# Altium PCB LEDmainb.PcbDoc
Units mil, origin at the board's own origin, x right, y up, seen from the top; angles counter-clockwise.
Board outline 3200 x 3200 mil, 2 copper layers (Top Layer, Bottom Layer); 95 components, 65 nets, 290 pads, 43 vias.
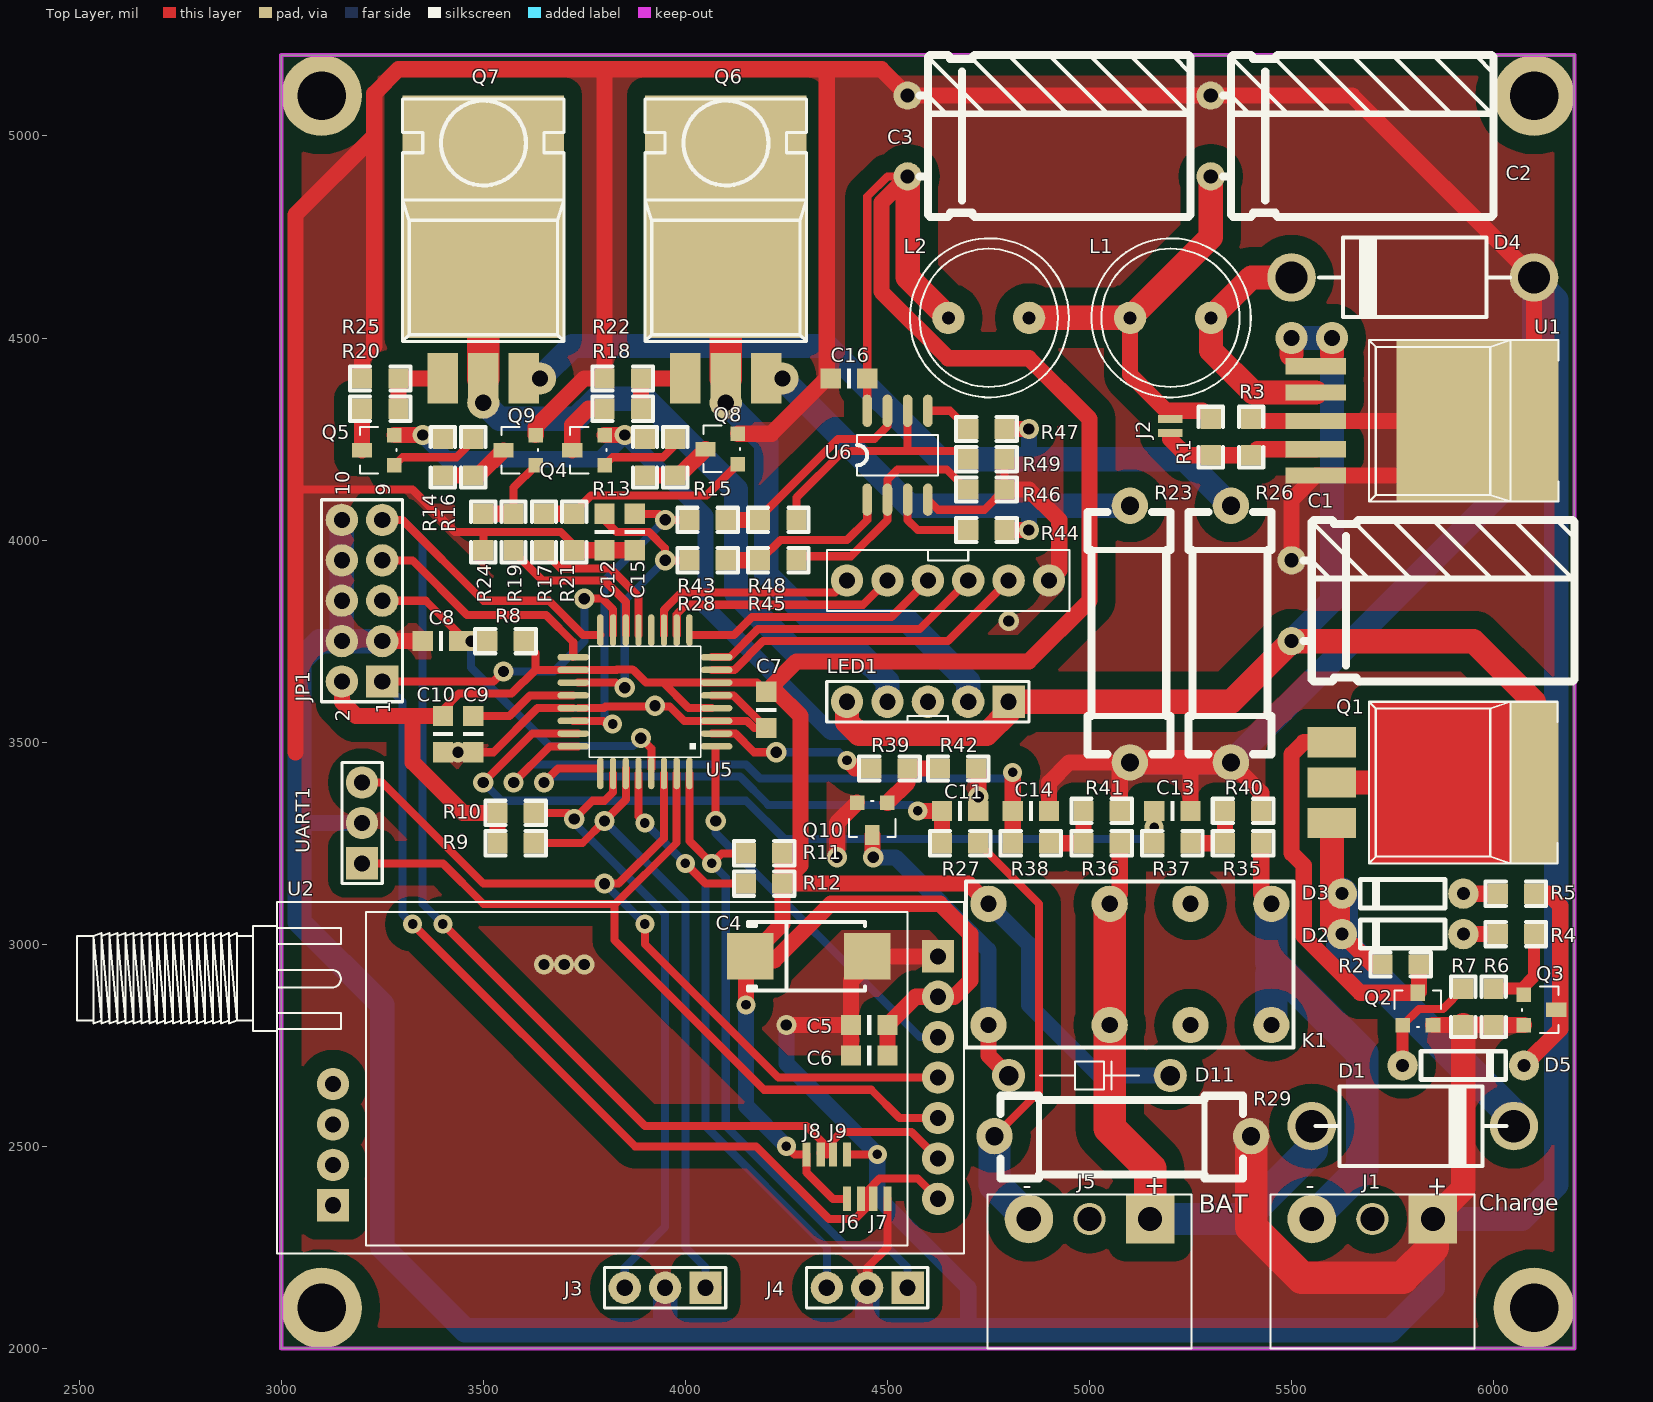
[diagram p0: Top Layer view]
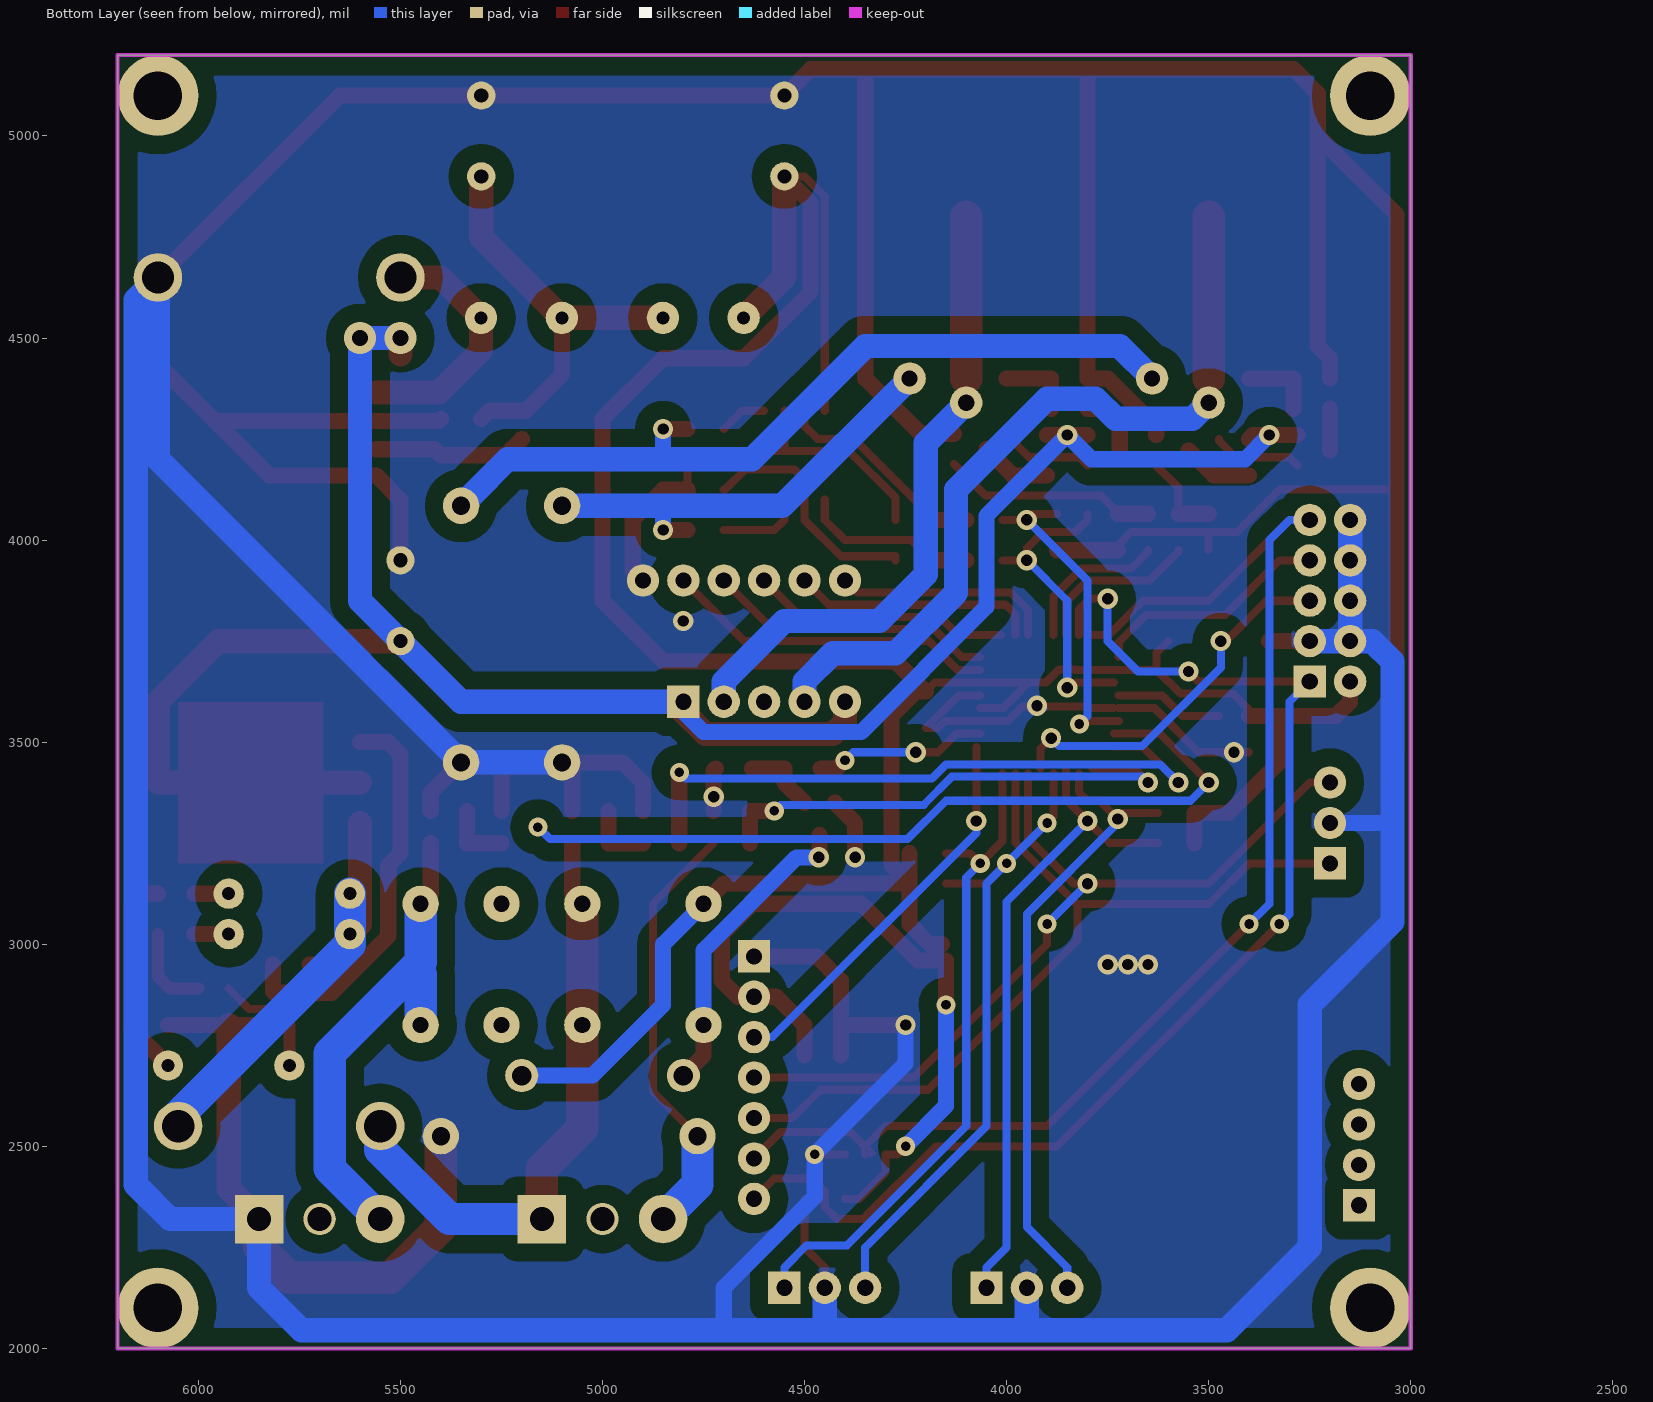
[diagram p1: Bottom Layer view, seen from below]
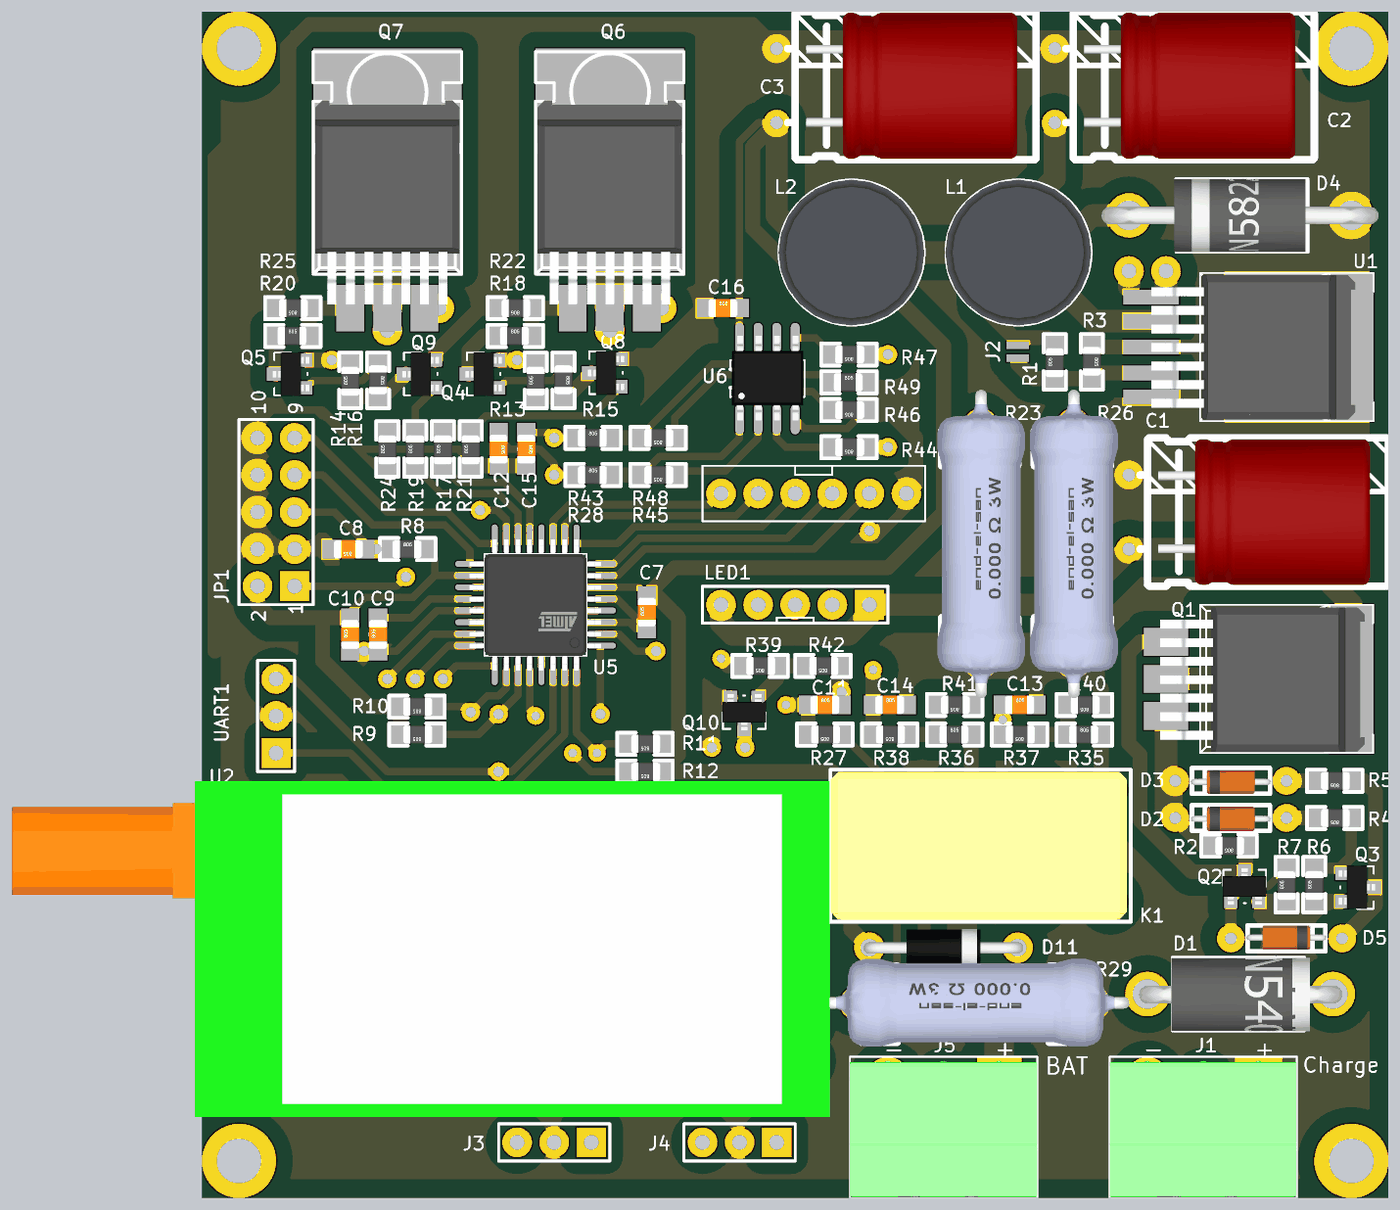
[diagram p2: 3D render of the assembled board from above, using the file's embedded part models]

## Layer stack, top to bottom
Top Solder: solder mask 0.4, Solder Resist, Dk 3.5
Top Layer: signal copper 1.4
Dielectric 1: dielectric 12.6, FR-4, Dk 4.8
Bottom Layer: signal copper 1.4
Bottom Solder: solder mask 0.4, Solder Resist, Dk 3.5

## Board outline
3000,2000 6200,2000 6200,5200 3000,5200

## Design rules (kind name [scope] priority, off if disabled: settings)
Clearance [All] p1: gap=10 ignorepadtopadclearanceinfootprint=FALSE except(0: Arc-Hole Track-Hole SMDPad-Hole THPad-Hole Via-Hole Fill-Hole Poly-Hole Region-Hole Text-Hole; 45: Arc-Poly Arc-Region Track-Poly Track-Region SMDPad-Poly SMDPad-Region THPad-Poly THPad-Region Via-Poly Via-Region Fill-Poly Fill-Region Poly-Poly Poly-Region Region-Region)
ComponentClearance [All] p1 off: gap=10 collisioncheckmode=3 verticalgap=10 showdistances=FALSE
Height [All] p1: minheight=0 maxheight=2000 prefheight=500
HoleSize [All] p1: absolutevalues=TRUE maxlimit=200 minlimit=1 maxpercent=80.000 minpercent=20.000
PolygonConnect [All] p1: connectstyle=Direct reliefconductorwidth=10 reliefentries=4 polygonreliefangle="90 Angle" airgapwidth=10
RoutingVias [All] p1: holewidth=28 width=50 viastyle="Through Hole" minholewidth=23.62 minwidth=47.24 maxholewidth=78.74 maxwidth=78.74
SolderMaskExpansion [All] p1: expansion=4
Width [All] p1: maxlimit=100 minlimit=10 preferedwidth=20
27 further rules are at their usual default settings.

## Components (designator, comment, footprint, x,y, rotation, side; value= is the part's Value field where it differs from the comment)
C1 "Tụ hóa chân cắm 1000uF 25V" CAP40X20L 5500,3750 r90 top value="1000uF 25V"
C2 "Tụ hóa chân cắm 1000uF 25V" CAP40X20L 5300,4900 r90 top value="1000uF 25V"
C3 "Tụ hóa chân cắm 1000uF 25V" CAP40X20L 4550,4900 r90 top value="1000uF 25V"
C4 "Tụ hóa chân dán 107" SMC_E/WA 4160,2970 r0 top value=107
C5 "Tụ điện dán 0805 104" 0805C 4500,2800 r180 top value=104
C6 "Tụ điện dán 0805 104" 0805C 4410,2725 r0 top value=104
C7 "Tụ điện dán 0805 104" 0805C 4200,3535 r90 top value=104
C8 "Tụ điện dán 0805 104" 0805C 3440,3750 r180 top value=104
C9 "Tụ điện dán 0805 104" 0805C 3475,3475 r90 top value=104
C10 "Tụ điện dán 0805 104" 0805C 3400,3475 r90 top value=104
C11 "Tụ điện dán 0805 104" 0805C 4635,3330 r0 top value=104
C12 "Tụ điện dán 0805 105" 0805C 3800,4065 r270 top value=105
C13 "Tụ điện dán 0805 104" 0805C 5160,3330 r0 top value=104
C14 "Tụ điện dán 0805 104" 0805C 4810,3330 r0 top value=104
C15 "Tụ điện dán 0805 105" 0805C 3875,4065 r270 top value=105
C16 "Tụ điện dán 0805 104" 0805C 4360,4400 r0 top value=104
D1 "Diode chỉnh lưu chân cắm 3A 1N5408" 1N5408 5500,2550 r0 top value=1N5408
D2 "Diode ổn áp zener chân cắm 1W 24V" 1N4148_S 5925,3025 r180 top value=24V
D3 "Diode ổn áp zener chân cắm 1W 5V1" 1N4148_S 5925,3125 r180 top value=5V1
D4 "Diode xung chân cắm 3A 1N5822" 1N5822 6100,4650 r180 top value=1N5822
D5 "Diode ổn áp zener chân cắm 1W 5V1" 1N4148_S 5775,2700 r0 top value=5V1
D11 "Diode chỉnh lưu chân cắm 1A 1N4007" DIODE1A 4800,2675 r0 top value=1N4007
J1 "Giắc xanh loại nằm, 300V/16A - 3.81mm 2P" JACK381_2 5850,2320 r180 top value=2P
J2 "Jumper 2P" XPAD 5200,4300 r270 top value=2P
J3 "Jump đực chân thẳng, 2.54mm 3P" HDR1X3 4050,2150 r180 top value=3P
J4 "Jump đực chân thẳng, 2.54mm 3P" HDR1X3 4550,2150 r180 top value=3P
J5 "Giắc xanh loại nằm, 300V/16A - 3.81mm 2P" JACK381_3 5150,2320 r180 top value=2P
J6 "Jumper 2P" XPAD 4435,2370 r180 top value=2P
J7 "Jumper 2P" XPAD 4500,2370 r180 top value=2P
J8 "Jumper 2P" XPAD 4335,2480 r180 top value=2P
J9 "Jumper 2P" XPAD 4400,2480 r180 top value=2P
JP1 "Jump đực chân thẳng, 2 hàng chân 2.54mm 10P" HDR2X5 3250,3650 r90 top
K1 "Relay OMRON, 8 chân cắm G5V-2" RELAY 5050,3100 r90 top value=G5V-2
L1 "Cuộn cảm chân cắm lõi trụ 330uH/3A" CAMTRONDUNG 5300,4550 r180 top value=330uH/3A
L2 "Cuộn cảm chân cắm lõi trụ 10uH/3A" CAMTRONDUNG 4850,4550 r180 top value=10uH/3A
LED1 "JUMP đực chân thẳng, 2.54mm 5P" HDR1X5 4800,3600 r180 top
Q1 "Transistor trường MOSFET P, chân dán TO-263 IRF4905" TO220SMD 5600,3300 r0 top value=IRF4905
Q2 "Transistor BJT NPN, chân dán SOT-23 2N3904" SOT23S#1 5850,2800 r90 top value=2N3904
Q3 "Transistor BJT NPN, chân dán SOT-23 2N3904" SOT23S#2 6075,2800 r0 top value=2N3904
Q4 "Transistor BJT PNP, chân dán SOT-23 2N3906" SOT23S#2 3800,4260 r180 top value=2N3906
Q5 "Transistor BJT PNP, chân dán SOT-23 2N3906" SOT23S#2 3280,4260 r180 top value=2N3906
Q6 "Transistor trường MOSFET N, chân dán TO-263 IRFR3709" TO220HSMD 4000,4400 r0 top value=IRFR3709
Q7 "Transistor trường MOSFET N, chân dán TO-263 IRFR3709" TO220HSMD 3400,4400 r0 top value=IRFR3709
Q8 "Transistor BJT NPN, chân dán SOT-23 2N3904" SOT23S#2 4130,4263 r180 top value=2N3904
Q9 "Transistor BJT NPN, chân dán SOT-23 2N3904" SOT23S#2 3630,4260 r180 top value=2N3904
Q10 "Transistor BJT NPN, chân dán SOT-23 2N3904" SOT23S#2 4425,3350 r270 top value=2N3904
R1 "Điện trở dán 0805 5K6" 0805DD 5300,4210 r90 top value=5K6
R2 "Điện trở dán 0805 4K7" 0805DD 5815,2950 r180 top value=4K7
R3 "Điện trở dán 0805 1K8" 0805DD 5400,4300 r270 top value=1K8
R4 "Điện trở dán 0805 1K" 0805DD 6100,3025 r180 top value=1K
R5 "Điện trở dán 0805 1K" 0805DD 6100,3125 r180 top value=1K
R6 "Điện trở dán 0805 10K" 0805DD 6000,2800 r90 top value=10K
R7 "Điện trở dán 0805 10K" 0805DD 5925,2800 r90 top value=10K
R8 "Điện trở dán 0805 100K" 0805DD 3510,3750 r0 top value=100K
R9 "Điện trở dán 0805 10K" 0805DD 3625,3250 r180 top value=10K
R10 "Điện trở dán 0805 10K" 0805DD 3625,3325 r180 top value=10K
R11 "Điện trở dán 0805 10K" 0805DD 4240,3225 r180 top value=10K
R12 "Điện trở dán 0805 10K" 0805DD 4240,3150 r180 top value=10K
R13 "Điện trở dán 0805 10K" 0805DD 3900,4160 r90 top value=10K
R14 "Điện trở dán 0805 10K" 0805DD 3400,4160 r90 top value=10K
R15 "Điện trở dán 0805 1K" 0805DD 3975,4250 r270 top value=1K
R16 "Điện trở dán 0805 1K" 0805DD 3475,4250 r270 top value=1K
R17 "Điện trở dán 0805 1K" 0805DD 3650,3975 r90 top value=1K
R18 "Điện trở dán 0805 22R" 0805DD 3800,4325 r0 top value=22R
R19 "Điện trở dán 0805 1K" 0805DD 3575,3975 r90 top value=1K
R20 "Điện trở dán 0805 22R" 0805DD 3200,4325 r0 top value=22R
R21 "Điện trở dán 0805 10K" 0805DD 3725,3975 r90 top value=10K
R22 "Điện trở dán 0805 560R" 0805DD 3890,4400 r180 top value=560R
R23 "Điện trở chân cắm 2W 0R1" AXIAL0.8S 5100,3450 r0 top value=0R1
R24 "Điện trở dán 0805 10K" 0805DD 3500,3975 r90 top value=10K
R25 "Điện trở dán 0805 560R" 0805DD 3290,4400 r180 top value=560R
R26 "Điện trở chân cắm 2W 0R1" AXIAL0.8S 5350,3450 r0 top value=0R1
R27 "Điện trở dán 0805 1K" 0805DD 4725,3250 r180 top value=1K
R28 "Điện trở dán 0805 1K" 0805DD 4010,3950 r0 top value=1K
R29 "Điện trở chân cắm 2W 0R47" AXIAL0.8S 5400,2525 r90 top value=0R47
R35 "Điện trở dán 0805 1% 56K" 0805DD 5335,3250 r0 top value=56K
R36 "Điện trở dán 0805 1% 56K" 0805DD 4985,3250 r0 top value=56K
R37 "Điện trở dán 0805 1K" 0805DD 5250,3250 r180 top value=1K
R38 "Điện trở dán 0805 1K" 0805DD 4900,3250 r180 top value=1K
R39 "Điện trở dán 0805 1K" 0805DD 4550,3435 r180 top value=1K
R40 "Điện trở dán 0805 1% 10K" 0805DD 5425,3330 r180 top value=10K
R41 "Điện trở dán 0805 1% 10K" 0805DD 5075,3330 r180 top value=10K
R42 "Điện trở dán 0805 10K" 0805DD 4720,3435 r180 top value=10K
R43 "Điện trở dán 0805 1K" 0805DD 4010,4050 r0 top value=1K
R44 "Điện trở dán 0805 1K" 0805DD 4790,4025 r180 top value=1K
R45 "Điện trở dán 0805 1% 120K" 0805DD 4275,3950 r180 top value=120K
R46 "Điện trở dán 0805 1% 4K7" 0805DD 4790,4125 r180 top value=4K7
R47 "Điện trở dán 0805 1K" 0805DD 4790,4275 r180 top value=1K
R48 "Điện trở dán 0805 1% 120K" 0805DD 4275,4050 r180 top value=120K
R49 "Điện trở dán 0805 1% 4K7" 0805DD 4700,4200 r0 top value=4K7
U1 "IC chuyển đổi nguồn, chân dán LM2576 ADJ" TO220_5CSMD2 5560,4430 r270 top value="LM2576 ADJ"
U2 "Module thu phát không dây RF E32-TTL-1W" RF_AS32 4625,2970 r180 top value=E32-TTL-1W
U5 "Vi điều khiển ATMEL chân dán ATMEGA8/A" ATMEGA8 4077,3489.76 r90 top value=ATMEGA8/A
U6 "IC khuếch đại thuật toán LM358 chân dán SO-8" SO-8 4450,4100 r90 top
UART1 "Jump đực chân thẳng, 2.54mm 3P" HDR1x3 3200,3200 r90 top value=3P

## Footprints (in the part's own frame and the unit in brackets; to place one, negate y for a bottom-side part, rotate by r counter-clockwise, add the part's x,y. Pads: shape width x height; smd on the part's side, far side on the other; paste and mask are expansions set on the pad)
1N4148_S [mil]
  round 75 hole 32: 1(0,0) 2(300,0)
  silkscreen extent 45,-35 255,35, body extent 42,-30 258,35, height 112
1N5408 [mil]
  round 120 hole 80: 1(50,0) 2(550,0)
  silkscreen extent 59,-98 531,98, body extent 28,-100 575,98, height 229
1N5822 [mil]
  round 120 hole 80: 1(0,0) 2(600,0)
  silkscreen extent 59,-98 531,98, body extent -73,-99 674,99, height 217
0805C [mil]
  rect 50x50 smd: 1(0,0) 2(90,0)
  silkscreen extent 40,-25 50,25, body extent 6,-25 84,25, height 31
0805DD [mil]
  rect 50x50 smd: 1(0,0) 2(90,0)
  silkscreen extent -30,-30 120,30, body extent 4,-25 82,25, height 31
ATMEGA8 [mm]
  oval 0.4x2 smd: 1(0,0) 2(0.8,0) 3(1.6,0) 4(2.4,0) 5(3.2,0) 6(4,0) 7(4.8,0) 8(5.6,0) 17(5.6,9) 18(4.8,9) 19(4,9) 20(3.2,9) 21(2.4,9) 22(1.6,9) 23(0.8,9) 24(0,9)
  oval 2x0.4 smd: 9(7.3,1.7) 10(7.3,2.5) 11(7.3,3.3) 12(7.3,4.1) 13(7.3,4.9) 14(7.3,5.7) 15(7.3,6.5) 16(7.3,7.3) 25(-1.7,7.3) 26(-1.7,6.5) 27(-1.7,5.7) 28(-1.7,4.9) 29(-1.7,4.1) 30(-1.7,3.3) 31(-1.7,2.5) 32(-1.7,1.7)
  silkscreen extent -0.7,1 6.3,8, body extent -1.72,0 7.29,9.02, height 1.15
AXIAL0.8S [mil]
  round 90 hole 45: 1(0,0) 2(0,635)
  silkscreen extent -105,20 100,620, body extent -117,-102 120,730, height 237
CAMTRONDUNG [mil]
  round 80 hole 32: 1(-0.63,0) 2(199.37,0)
  silkscreen extent -99,-197 294,197, body extent -98,-197 295,197, height 537
CAP40X20L [mil]
  round 70 hole 35: 1(0,0) 2(200,0)
  silkscreen extent -100,-700 300,-30, body extent -97,-650 297,-79, height 397
DIODE1A [mil]
  round 82 hole 48: 1(0,0) 2(400,0)
  silkscreen extent 78,-35 322,35, body extent -15,-51 415,50, height 120
HDR1X3 [mil] "Connector; Header; 3 Position"
  rect 80x80 hole 40: 1(0,0)
  round 80 hole 40: 2(100,0) 3(200,0)
  silkscreen extent -50,-50 250,50
HDR1x3 [mil] "Connector; Header; 3 Position"
  rect 80x80 hole 40: 1(0,0)
  round 80 hole 40: 2(100,0) 3(200,0)
  silkscreen extent -50,-50 250,50
HDR1X5 [mil] "Connector; Header; 5 Position"
  rect 80x80 hole 40: 1(0,0)
  round 80 hole 40: 2(100,0) 3(200,0) 4(300,0) 5(400,0)
  silkscreen extent -50,-50 450,50
HDR2X5 [mil] "Connector; Header; 5x2 Position"
  rect 80x80 hole 40: 1(0,0)
  round 80 hole 40: 2(0,100) 3(100,0) 4(100,100) 5(200,0) 6(200,100) 7(300,0) 8(300,100) 9(400,0) 10(400,100)
  silkscreen extent -50,-50 450,150
JACK381_2 [mil]
  round 80 hole 60: 0(150,0)
  rect 120x120 hole 60: 1(0,0)
  round 120 hole 60: 2(300,0)
  silkscreen extent -103,-61 402,320, body extent -102,-50 402,316, height 286
JACK381_3 [mil]
  rect 120x120 hole 60: 1(0,0)
  round 80 hole 60: 2(150,0)
  round 120 hole 60: 3(300,0)
  silkscreen extent -103,-61 402,320, body extent -102,-50 402,316, height 286
RELAY [mil]
  round 90 hole 40: 1(0,0) 2(0,-200) 3(0,-400) 4(-300,0) 5(-300,-200) 6(-300,-400) 7(0,300) 8(-300,300)
  silkscreen extent -355,-455 55,355, body extent -349,-445 49,355, height 449
RF_AS32 [mil]
  round 80 hole 40: 0(1497,316) 0(1497,416) 0(1497,516) 2(0,100) 3(0,200) 4(0,300) 5(0,400) 6(0,500) 7(0,600)
  rect 80x80 hole 40: 0(1497,616) 1(0,0)
  silkscreen extent -65,-135 2130,735, body extent -68,-154 2136,752, height 532
SMC_E/WA [mil]
  rect 115x115 smd: 1(0,0) 2(290,0)
  silkscreen extent -5,-85 285,85, body extent 1,-85 289,84, height 75
SO-8 [mil]
  oval 80x24 smd: 1(0,0) 2(0,-50) 3(0,-100) 4(0,-150) 5(220,-150) 6(220,-100) 7(220,-50) 8(220,0)
  silkscreen extent 60,-175 160,25, body extent -2,-172 225,21, height 57
SOT23S#1 [mil]
  rect 36x36 smd: 1(0,75) 3(0,0)
  rect 40x36 smd: 2(80,38)
  silkscreen extent -5,-20 85,95, body extent -9,-21 89,97, height 44
SOT23S#2 [mil]
  rect 36x36 smd: 1(0,75) 3(0,0)
  rect 50x36 smd: 2(80,38)
  silkscreen extent -5,-20 85,95, body extent -9,-21 89,97, height 44
TO220_5CSMD2 [mil]
  rect 40x150 smd: 1(0,0) 2(65,0) 3(135,0) 4(205,0) 5(270,0)
  rect 400x400 smd: 3(135,400)
  silkscreen extent -65,132 335,600, body extent -59,0 331,551, height 166
TO220HSMD [mil]
  rect 75x125 smd: 1(0,0) 2(100,0) 3(200,0)
  rect 400x600 smd: 2(100,400)
  silkscreen extent -100,92 300,692, body extent -95,10 295,561, height 166
TO220SMD [mil]
  rect 120x75 smd: 1(0,200) 2(0,100) 3(0,0)
  rect 120x400 smd: 2(500,100)
  silkscreen extent 92,-100 558,300, body extent -15,-96 535,293, height 166
XPAD [mil]
  rect 20x60 smd: 1(0,0) 2(35,0)

## Part data
C1 C2 C3 C4: library part "Cap Pol1", "Polarized Capacitor (Radial)", Type1="T? hóa chân c?m", Type2="T? hóa chân dán"
C5 C6 C7 C8 C9 C10 C11 C12 C13 C14 C15 C16: library part CAP, Type1="T? di?n dán 0805", Type2="T? di?n chân c?m"
D1 D4 D11: library part DIODE, Type1="Diode xung chân c?m 3A", Type2="Diode ch?nh luu chân c?m 1A", Type3="Diode ch?nh luu chân c?m 3A"
D2 D3 D5: library part ZENER2, "Zener Diode", Type1="Diode ?n áp zener chân c?m 1W", Type2="Diode ?n áp zener chân c?m 0.5W"
J1 J2 J6 J7 J8 J9: library part CON2, Type1="Gi?c xanh lo?i n?m, 300V/16A - 5.08mm", Type2="Jump d?c lo?i th?ng, 2.54mm", Type3=Jumper, Type4="Gi?c xanh lo?i n?m, 300V/16A - 3.81mm"
J3 J4 J5 UART1: library part CON3, Type1="Jack xanh lo?i n?m, 300V/16A - 5.08mm", Type2="Jump d?c chân th?ng, 2.54mm"
  J3 J4 UART1: Type3="Jack xanh lo?i n?m, 300V/16A - 3.81mm"
  J5: Type3="Gi?c xanh lo?i n?m, 300V/16A - 3.81mm"
JP1: library part "HEADER 5X2"
K1: library part Relay-DPDT, "Dual-Pole Dual-Throw Relay", Type1="Relay OMRON, 8 chân c?m"
L1 L2: library part INDUCTORSMALL, Type1="Cu?n c?m chân c?m lõi tr?", Type2="Cu?n c?m chân c?m lõi xuy?n"
LED1: library part "Header 5", "Header, 5-Pin", LatestRevisionDate=17-Jul-2002, LatestRevisionNote="Re-released for DXP Platform.", Publisher="Altium Limited"
Q1: library part "MOSFET P", Type1="Transistor tru?ng MOSFET P, chân dán TO-263", Type2="Transistor tru?ng MOSFET P, chân c?m TO-220"
Q2 Q3 Q8 Q9 Q10: library part NPN, "NPN Bipolar Transistor", Type1="Transistor BJT NPN, chân dán SOT-23", Type2="Transistor BJT NPN, chân c?m TO-92"
Q4 Q5: library part PNP, "PNP Bipolar Transistor", Type1="Transistor BJT PNP, chân dán SOT-23", Type2="Transistor BJT PNP, chân c?m TO-92"
Q6 Q7: library part "MOSFET N", Type1="Transistor tru?ng MOSFET N, chân dán TO-263", Type2="Transistor tru?ng MOSFET N, chân c?m TO-220"
R1 R2 R3 R4 R5 R6 R7 R8 R9 R10 R11 R12 R13 R14 R15 R16 R17 R18 R19 R20 R21 R22 R23 R24 R25 R26 R27 R28 R29 R35 R36 R37 R38 R39 R40 R41 R42 R43 R44 R45 R46 R47 R48 R49: library part "Res Semi", "Semiconductor Resistor", Type2="Ði?n tr? chân c?m 1/4W", Type3="Ði?n tr? chân c?m 2W"
  R1 R2 R3 R4 R5 R6 R7 R8 R9 R10 R11 R12 R13 R14 R15 R16 R17 R18 R19 R20 R21 R22 R23 R24 R25 R26 R27 R28 R29 R37 R38 R39 R42 R43: Type1="Ði?n tr? dán 0805"
  R35 R36 R40 R41: Type1="Ði?n tr? dán 0805 1%"
  R44 R47: Type1="Ði?n tr? dán 0805", Type4="Ði?n tr? dán 2512"
  R45 R46 R48 R49: Type1="Ði?n tr? dán 0805 1%", Type4="Ði?n tr? dán 2512"
U1: library part LM2576, Type1="IC chuy?n d?i ngu?n, chân dán", Type2="IC chuy?n d?i ngu?n, chân c?m"
U2: library part AS32-TTL-1W, "AS32-TTL-1W", Type1="Module thu phát không dây RF"
U5: library part ATMEGA8-A, "TQFP package", Type1="Vi di?u khi?n ATMEL chân dán"
U6: library part 1458, Name=LM358, Type1="IC khu?ch d?i thu?t toán LM358 chân dán SO-8", Type2="IC khu?ch d?i thu?t toán LM358 chân c?m DIP8"

## Free pads (board coordinates)
  round 200 hole 120: 0(3100,2100) 0(3100,5100) 0(6100,2100) 0(6100,5100)
  round 80 hole 40: 1(4800,3900) 2(4700,3900) 3(4600,3900) 4(4500,3900) 5(4400,3900) 6(5600,4500) 7(5500,4500) 8(3640,4400) 9(4240,4400) 10(3500,4340) 11(4100,4340) 12(4900,3900)

## Via types
v1: diameter 50, hole 28, Top Layer to Bottom Layer, 29 vias
v2: diameter 47.24, hole 23.62, Top Layer to Bottom Layer, 14 vias

## Nets (pads, with @x,y where several pads share a name; then routed paths per layer and width w, separated by ;. In a path a pad name is that pad's centre, name@x,y a point inside that pad or via, vN(x,y) a via of type N, cw(c..) or ccw(c..) an arc to the next point about the centre after c; other vN are vias at no path point)
+5: C2.1 J2.1 L1.2 L2.1 R1.2 | length 1067.9
  Top Layer w40: L1.2 5100.63,4409.37 5190,4320 5280,4320 R1.2
  Top Layer w60: L2.1 L1.2 5300,4749.37 C2.1
BATTERY: D1.1 J5.1 K1.1 K1.4 R36.2 | length 1521.3
  Top Layer w40: K1.1 5075,3125 R36.2
  Top Layer w80: K1.1 K1.4 5050,2545 5150,2445 J5.1
  Bottom Layer w80: J5.1 5378.49,2320 5550,2491.51 D1.1
  Bottom Layer w100: D1.1 D1.1@5550,2560
CHARGER_ENABLE: R39.2 U5.2 | length 430.4
  Top Layer w20: U5.2@4065.35,3521.26 U5.2 4123.74,3521.26 4170,3475 v1(4225,3475)
  Top Layer w40: v2(4400,3455) 4420,3435 R39.2
  Bottom Layer w20: v1(4225,3475) 4380,3475 v2(4400,3455)
CURRENT_ADC1: C12.1 R28.1 U5.19 | length 760.8
  Top Layer w20: U5.19@3734.65,3647.24 3827.76,3647.24 3840,3635 v1(3850,3635) ; C12.1 3800,4050 3830,4020 3910,4020 3950,3980 v1(3950,3950) R28.1
  Bottom Layer w20: v1(3850,3635) 3850,3850 v1(3950,3950)
CURRENT_ADC2: C15.1 R43.1 U5.22 | length 817.2
  Top Layer w20: U5.22 3797.24,3552.76 3805,3545 v2(3820,3545) ; C15.1 3935,4065 v1(3950,4050) R43.1
  Bottom Layer w20: v2(3820,3545) 3800,3565 3800,3900 v1(3950,4050)
FULLBATTERY_LED: pad.2 U5.8 | length 713.2
  Top Layer w20: U5.8@4065.35,3710.24 4110.24,3710.24 4180,3780 4580,3780 pad.2
GND: C1.2 C2.2 C3.2 C4.2 C5.2 C6.1 C7.1 C8.2 C9.1 C10.1 C11.2 C12.2 C13.2 C14.2 C15.2 C16.1 D4.1 J1.1 J3.2 J4.2 J7.1 J9.1 JP1.3 JP1.4 JP1.6 JP1.8 JP1.10 pad.12 Q2.3 Q3.3 Q8.3 Q9.3 Q10.3 R3.1 R6.1 R7.1 R21.1 R22.2 R23.1 R24.1 R25.2 R26.1 R29.1 R40.1 R41.1 R42.1 R46.1 R49.2 U1.3 U1.5 U2.1 U5.3 U5.5 U5.21 U6.4 UART1.2 | length 26120
  Top Layer w20: 3035,4130 3040,4125 3325,4125 3430,4020 3500,4020 ; C10.1 C9.1 3525,3475 3634.25,3584.25 U5.21 ; R24.1 3500,4020 ; R21.1 3725,3986.72 3691.72,4020 3500,4020 ; U5.21@3735.39,3585 3798.31,3585 3801.93,3588.62 3961.38,3588.62 3997.24,3552.76 U5.3 4152.76,3552.76 4170.51,3535 C7.1 4119.25,3615.75 U5.5@4065.35,3615.75 ; J9.1 v2(4475,2480) ; J4.2 4450,2200 4500,2250 J7.1 ; U6.4 4625,4075 4740,4075 R46.1 R49.2
  Top Layer w40: 3035,3475 3035,4130 3035,4805 3230,5000 ; R25.2 3200,4450 3230,4480 3230,5000 ; JP1.3 C8.2 ; Q9.3 3630,4280 3750,4400 R22.2 3800,5165 ; R21.1 C12.2 C15.2 ; Q8.3 4213,4263 4350,4400 4350,5165 ; v1(4250,2800) C5.2 ; v1(4375,3215) 4375,3300 Q10.3 ; C6.1 C5.2 ; U2.1 4470,2970 4410,2910 C5.2 ; R42.1 4725,3430 C11.2 ; R46.1 4850,4125 4925,4050 4925,3925 pad.12 ; C14.2 4900,3400 4950,3450 R23.1@5070,3450 ; R41.1 5075,3425 R23.1 ; C13.2 5250,3450 ; R26.1 5425,3375 R40.1 ; R3.1 5405,4295 5560,4295 U1.3@5960,4295 ; C1.2 5500,4100 U1.5 5825,4160 U1.3@5960,4295 ; Q2.3 R7.1 R6.1 Q3.3 ; 3230,5000 3230,5105 3290,5165 3800,5165 ; 3800,5165 4350,5165 ; 4350,5165 4485,5165 C3.2 C2.2 5650,5100 D4.1 6100,4435 U1.3@5960,4295
  Top Layer w60: R23.1 5250,3450 R26.1 ; J1.1 5925,2395 R7.1
  Top Layer w80: R29.1 5400,2300 5525,2175 5775,2175 5850,2250 J1.1
  Bottom Layer w40: 3045,3300 UART1.2 ; v1(4250,2800) 4250,2705 v2(4475,2480) 4475,2375 4700,2150 4700,2045
  Bottom Layer w60: JP1.10 JP1.8 JP1.6 JP1.4 ; JP1.3 JP1.4 ; J3.2 3950,2045 ; J4.2 4450,2045 ; R23.1 R26.1 6100,4200 D4.1 6155,4595 6155,2405 6070,2320 J1.1 5850,2150 5745,2045 4700,2045 4450,2045 ; JP1.4 3095,3750 3045,3700 3045,3300 3045,3055 3250,2850 3250,2250 3455,2045 3950,2045 ; 3950,2045 4450,2045
  other v1: 3650,2950 3700,2950 3750,2950 4725,3365 3437.5,3475 3925,3590 4800,3800
HIGH_LEVEL: J4.3 R12.2 U5.28 | length 1636.5
  Top Layer w20: U5.28 3884.09,3315.91 v2(3900,3300) ; v2(4000,3200) 4050,3150 R12.2
  Bottom Layer w20: v2(3900,3300) v2(4000,3200) 4050,3150 4050,2550 4350,2250 J4.3
HIGHBATTERY_LED: pad.5 U5.11 | length 545
  Top Layer w20: U5.11@3947.24,3765.35 3947.24,3827.24 3952.2,3832.2 3952.2,3832.63 3986.1,3866.54 3986.54,3866.54 3990,3870 4370,3870 pad.5
I4: pad.9 Q6.3 R23.2 R44.1 | length 1110.5
  Top Layer w40: R44.1 v1(4850,4025)
  Bottom Layer w40: v1(4850,4025) 4850,4085
  Bottom Layer w60: pad.9 4555,4085 4850,4085 R23.2
I5: pad.8 Q7.3 R26.2 R47.1 | length 2006.4
  Top Layer w40: R47.1 v1(4850,4275)
  Bottom Layer w40: 4850,4200 v1(4850,4275)
  Bottom Layer w60: pad.8 3720,4480 4350,4480 4630,4200 4850,4200 5235,4200 R26.2@5325,4110
I_CHARGE_ADC: C11.1 R27.2 U5.25 | length 1258.8
  Top Layer w20: v1(3650,3400) 3684.65,3434.65 U5.25@3788,3434.65
  Top Layer w40: v2(4575,3330) C11.1 R27.2
  Bottom Layer w20: v1(3650,3400) 3665,3415 4135,3415 4205,3345 4560,3345 v2(4575,3330)
LED_LAMP1: LED1.2 pad.11 Q6.2 | length 1526.2
  Top Layer w80: Q6.2@4100,4400 Q6.2@4100,4800
  Bottom Layer w60: pad.11 4200,4240 4200,3915 4315,3800 4550,3800 4700,3650 LED1.2
LED_LAMP2: LED1.4 pad.10 Q7.2 | length 1926.6
  Top Layer w80: Q7.2@3500,4400 Q7.2@3500,4800
  Bottom Layer w60: pad.10 3540,4300 3730,4300 3780,4350 3900,4350 4125,4125 4125,3870 4275,3720 4430,3720 4500,3650 LED1.4
LOCAL_MODE: J3.3 R10.1 U5.26 | length 1571
  Top Layer w20: R10.1 3710,3325 v1(3725,3310) 3770,3355 3800,3355 3821.09,3376.09 U5.26
  Bottom Layer w20: v1(3725,3310) 3725,3300 3950,3075 3950,2300 3850,2200 J3.3
LOW_LEVEL: J4.1 R11.2 U5.32 | length 1650.1
  Top Layer w20: U5.32 4010.07,3255.28 v2(4065.35,3200) 4090.35,3225 R11.2
  Bottom Layer w20: v2(4065.35,3200) 4100,3165.35 4100,2550 4395,2255 4495,2255 4550,2200 J4.1
LOWBATTERY_LED: pad.3 U5.9 | length 641.8
  Top Layer w20: U5.9@4014,3765.35 4120.35,3765.35 4165,3810 4510,3810 pad.3
MD0: J6.1 J7.2 JP1.1 U2.7 U5.15 | length 3111
  Top Layer w20: JP1.1 3525,3650 v1(3550,3675) ; v2(3325,3050) 3875,2500 4175,2500 4355,2320 4420,2320 4450,2350 4450,2390 4480,2420 4575,2420 U2.7 ; v1(3750,3855) 3795,3855 3821.26,3828.74 U5.15@3821.26,3765.35
  Bottom Layer w20: JP1.1 3300,3600 3300,3075 v2(3325,3050) ; v1(3550,3675) 3675,3675 3750,3750 v1(3750,3855)
MD1: J8.1 J9.2 JP1.9 U2.6 U5.16 | length 3285.3
  Top Layer w20: JP1.9 3300,4050 3500,3850 3662.43,3850 3747.07,3765.35 U5.16@3789.76,3765.35 ; v2(3400,3050) 3900,2550 4300,2550 4350,2500 4350,2498.28 ; J8.1@4335,2483.28 4350,2498.28 ; 4350,2480 4350,2498.28 ; U2.6 4560,2535 4386.72,2535 4350,2498.28
  Bottom Layer w20: JP1.9 3300,4050 3350,4000 3350,3100 v2(3400,3050)
MIDBATTERY_LED: pad.4 U5.10 | length 607.1
  Top Layer w20: U5.10@3978.74,3765.35 3978.74,3816.31 3982.2,3819.77 3982.2,3820.21 3998.53,3836.54 3998.96,3836.54 4002.43,3840 4440,3840 pad.4
NetC9_2: C9.2 U5.20 | length 268.7
  Top Layer w20: C9.2 3565,3565 3615.75,3615.75 U5.20
NetD2_1: D2.1 R4.2 | length 85
  Top Layer w40: D2.1 R4.2
NetD3_1: D3.1 R5.2 | length 85
  Top Layer w40: D3.1 R5.2
NetD4_2: D4.2 L1.1 U1.2 | length 624
  Top Layer w60: D4.2 5400.63,4650 L1.1 5300.63,4469.37 5405,4365 U1.2
NetD5_1: D5.1 Q2.1 R7.2 | length 287.3
  Top Layer w20: Q2.1 5815,2840 5875,2840 R7.2
  Top Layer w30: D5.1 Q2.1
NetD5_2: D5.2 Q3.2 R5.1 | length 509.7
  Top Layer w40: D5.2 6165,2790 6165,3095 6135,3125 R5.1
NetD11_1: D11.1 K1.8 Q10.2 | length 766.8
  Top Layer w40: Q10.2 4463,3217 v1(4465,3215) ; K1.8 4750,2725 D11.1
  Bottom Layer w40: v1(4465,3215) 4520,3215 4750,2985 K1.8
NetJ2_2: J2.2 R1.1 R3.2 U1.4 | length 382.8
  Top Layer w40: 5200,4250 5240,4210 R1.1 R3.2 5415,4225 U1.4
NetJ5_3: J5.3 R27.1 R29.2 | length 1072.9
  Top Layer w20: R27.1 4875,3100 4875,2635 R29.2
  Bottom Layer w80: R29.2 4765,2405 J5.3
NetQ1_1: Q1.1 Q2.2 R2.1 | length 986.1
  Top Layer w40: Q1.1 5530,3500 5500,3470 5500,3225 5530,3195 5530,3020 5670,2880 Q2.2 5815,2883 R2.1
NetQ3_1: Q3.1 R4.1 R6.2 | length 217.4
  Top Layer w30: R6.2 6070,2890 6100,2920 R4.1
NetQ4_1: Q4.1 R15.1 | length 210.7
  Top Layer w20: Q4.1 3820,4205 3945,4205 3975,4235 R15.1
NetQ4_2: Q4.2 R18.1 | length 159.6
  Top Layer w40: Q4.2 3720,4285 3760,4325 R18.1
NetQ5_1: Q5.1 R16.1 | length 223.8
  Top Layer w20: Q5.1 3300,4205 3433.28,4205 3475,4246.72 R16.1
NetQ5_2: Q5.2 R20.1 | length 103
  Top Layer w40: Q5.2 R20.1
NetQ6_1: Q6.1 R18.2 R22.1 | length 185
  Top Layer w20: R22.1@3881.72,4400 R22.1
  Top Layer w40: R18.2 R22.1@3890,4391.72 ; R22.1 Q6.1
NetQ7_1: Q7.1 R20.2 R25.1 | length 185
  Top Layer w40: R20.2 R25.1 Q7.1
NetQ8_1: Q8.1 R17.2 R21.2 | length 532.9
  Top Layer w20: R21.2 3725,4068.28 3766.72,4110 4052,4110 Q8.1
  Top Layer w40: R17.2 R21.2
NetQ8_2: Q8.2 R13.1 R15.2 | length 176.9
  Top Layer w40: R13.1 R15.2 3985,4160 Q8.2
NetQ9_1: Q9.1 R19.2 R24.2 | length 217.8
  Top Layer w20: R19.2 3575,4130 Q9.1
  Top Layer w40: R24.2 R19.2
NetQ9_2: Q9.2 R14.1 R16.2 | length 175.7
  Top Layer w40: R14.1 R16.2 3488,4160 Q9.2
NetQ10_1: Q10.1 R39.1 R42.2 | length 185.7
  Top Layer w40: Q10.1 4550,3400 R39.1 R42.2
NetR28_2: R28.2 R45.2 U6.1 | length 441.4
  Top Layer w20: R45.2 4235,4000 4400,4000 4450,4050 U6.1
  Top Layer w40: R28.2 R45.2
NetR35_1: R35.1 R37.1 R40.2 | length 165
  Top Layer w40: R37.1 R35.1 R40.2
NetR36_1: R36.1 R38.1 R41.2 | length 165
  Top Layer w40: R38.1 R36.1 R41.2
NetR43_2: R43.2 R48.2 U6.7 | length 538.2
  Top Layer w20: R48.2 4185,4057.43 4377.57,4250 4467.57,4250 4500,4282.43 U6.7
  Top Layer w40: R43.2 R48.2
NetR44_2: R44.2 U6.3 | length 210.4
  Top Layer w20: U6.3 4550,4050 4575,4025 R44.2
NetR45_1: R45.1 R46.2 U6.2 | length 603.3
  Top Layer w20: R45.1 4275,3960 4410,3960 4500,4050 U6.2 4500,4150 4525,4175 4646.72,4175 4696.72,4125 R46.2
NetR47_2: R47.2 U6.5 | length 118.6
  Top Layer w20: U6.5 4655,4320 R47.2
NetR48_1: R48.1 R49.1 U6.6 | length 635.9
  Top Layer w20: R48.1 4275,4105 4390,4220 4680,4220 R49.1 ; 4550,4220 U6.6
POWER: C1.1 LED1.1 LED1.5 pad.6 pad.7 Q1.2 Q4.3 Q5.3 R13.2 R14.2 U1.1 | length 6573.8
  Top Layer w40: Q5.3 3390,4260 R14.2 ; Q4.3 R13.2@3900,4260
  Top Layer w60: LED1.5 4400,3550 4430,3520 4745,3520 4800,3575 LED1.1 5350,3600 C1.1 5950,3750 6100,3600 6100,3400 Q1.2@5600,3400 ; 5500,4460 pad.7 ; 5600,4460 pad.6
  Bottom Layer w40: v1(3350,4260) 3410,4200 3790,4200 v1(3850,4260) 4050,4060 4050,3835 4360,3525 4750,3525 4800,3575 LED1.1
  Bottom Layer w60: LED1.1 5350,3600 C1.1 5600,3850 pad.6 pad.7
POWERIN: D1.2 D2.2 D3.2 Q1.3 R2.2 | length 1267.5
  Top Layer w40: D3.2 D2.2 5700,2950 R2.2
  Top Layer w60: D2.2@5600,3050 D3.2@5600,3150 ; Q1.3 D3.2@5600,3150 ; D3.2 D3.2@5600,3150
  Bottom Layer w80: D3.2 D2.2 5625,3000 6050,2575 D1.2
PWM_LAMP1: R17.1 U5.13 | length 378.9
  Top Layer w20: R17.1 3650,3971.72 3691.72,3930 3815,3930 3884.25,3860.75 U5.13@3884.25,3765.35
PWM_LAMP2: R19.1 U5.14 | length 414.5
  Top Layer w20: R19.1 3575,3971.72 3646.72,3900 3800,3900 3852.76,3847.24 U5.14@3852.76,3765.35
REMOTE_LED: pad.1 U5.7 | length 826.3
  Top Layer w20: U5.7@4065.35,3678.74 4121.17,3678.74 4192.43,3750 4650,3750 pad.1
REMOTE_MODE: J3.1 R9.1 U5.27 | length 1627.8
  Top Layer w20: R9.1 3745,3250 v1(3800,3305) 3852.76,3357.76 U5.27@3852.76,3434.65
  Top Layer w40: J3.1 J3.1@4070,2150
  Bottom Layer w20: v1(3800,3305) 4000,3105 4000,2250 4050,2200 J3.1
RFAUX: U2.3 U5.1 | length 971.9
  Top Layer w20: v1(4075,3305) U5.1@4075,3487.76
  Bottom Layer w20: v1(4075,3305) 4075,3275 4580,2770 U2.3
RST: C8.1 JP1.5 R8.1 U5.29 | length 921.5
  Top Layer w20: JP1.5 3357.57,3850 3457.57,3750 v1(3470,3750) ; v1(3890,3510) 3915.75,3484.25 U5.29@3915.75,3434.65
  Bottom Layer w20: v1(3470,3750) 3470,3685 3665,3490 3870,3490 v1(3890,3510)
RXD: U2.4 U5.30 UART1.3 | length 2110.9
  Top Layer w20: UART1.3 3250,3400 3500,3150 v1(3800,3150) 3835,3150 3947.08,3262.08 U5.30 ; v2(3900,3050) 3900,3000 4230,2670 U2.4
  Bottom Layer w20: v1(3800,3150) v2(3900,3050)
SCK: JP1.7 U5.17 | length 593.7
  Top Layer w20: JP1.7 3325,3950 3460,3815 3655,3815 3722.67,3747.33 U5.17
TXD: U2.5 U5.31 UART1.1 | length 2126.5
  Top Layer w20: UART1.1 3400,3200 3500,3100 3825,3100 ; U5.31 3978.57,3251.15 3827.43,3100 3825,3100 ; U2.5 4530,2570 4460,2640 4195,2640 3825,3010 3825,3100
V_BATTERY_ADC: C14.1 R38.2 U5.24 | length 1646.2
  Top Layer w20: v1(3575,3400) 3664.76,3489.76 U5.24@3734.65,3489.76
  Top Layer w40: R38.2 C14.1 v2(4810,3425)
  Bottom Layer w20: v1(3575,3400) 3620,3445 4150,3445 4185,3410 4795,3410 v2(4810,3425)
V_CHARGE: J1.2 K1.3 K1.6 R35.2 | length 1210.3
  Top Layer w40: R35.2 5425,3125 K1.3
  Bottom Layer w80: K1.6 5450,2925 ; K1.3 5450,2955 5675,2730 5675,2445 J1.2
V_CHARGE_ADC: C13.1 R37.2 U5.23 | length 2015.3
  Top Layer w20: v1(3500,3400) 3621.26,3521.26 U5.23 U5.23@3734.65,3521.26
  Bottom Layer w20: v1(3500,3400) 3545,3355 4150,3355 4245,3260 5130,3260 v2(5160,3290)
VCC: C3.1 C4.1 C5.1 C6.2 C7.2 C10.2 C16.2 D11.2 J6.2 J8.2 JP1.2 K1.7 L2.2 R8.2 R9.2 R10.2 R11.1 R12.1 U2.2 U5.4 U5.6 U5.18 U6.8 | length 9098
  Top Layer w20: C10.2 3400,3580 3440,3620 3570,3620 3628.74,3678.74 ; R8.2 3628.74,3721.26 3628.74,3678.74 ; U5.4@4065.35,3584.25 4008.17,3584.25 3945.18,3647.24 ; C7.2 4177.76,3647.24 3945.18,3647.24 ; v2(4250,2500) 4270,2480 J8.2 4300,2435 4365,2370 J6.2 ; U6.8 4450,4850 4500,4900 C3.1 ; 3628.74,3678.74 3830.1,3678.74 3831.36,3680 3868.64,3680 3869.9,3678.74 3871.26,3678.74 3902.76,3647.24 3945.18,3647.24
  Top Layer w40: JP1.2 3150,3600 3185,3565 3325,3565 ; C10.2 3325,3565 ; R9.2 R10.2 3450,3325 3325,3450 3325,3565 ; v2(4150,2850) 4150,2960 4220,2960 4360,3100 4630,3100 4705,3025 4705,2910 4665,2870 U2.2 4570,2870 C5.1 C6.2 ; C4.1@4160,3000 4190,3000 4240,3050 R12.1 ; R11.1 R12.1 ; C3.1 4485,4835 4485,4615 4650,4450 4850,4450 5000,4300 5000,3850 4850,3700 4275,3700 C7.2 4225,3625 4285,3565 4285,3195 R12.1 ; K1.7 4700,3150 R12.1
  Top Layer w60: C3.1 4550,4650.63 L2.2
  Bottom Layer w40: v2(4150,2850) 4150,2600 v2(4250,2500) ; K1.7 4850,3000 4850,2850 5025,2675 D11.2
pads on no net: J1.0 J5.2 K1.2 K1.5 LED1.3 U2.0 U5.12

## Polygon pours and split planes (outlines as drawn)
GND on Top Layer "Bottom Layer-No Net 1" (solid, remove dead copper, pour order 8): 3000,5200 6200.79,5200 6200.79,2000 3860,2000 3000,2000
GND on Bottom Layer "Bottom Layer-No Net 1" (solid, remove dead copper, pour order 12): 3000,5200 6200.79,5200 6200.79,2000 3860,2000 3000,2000

## Keep-outs
Keep-Out Layer:
  the board outline again, w10

## Other copper
Top Layer:
  rectangle net POWER: 5690,3200 6050,3600

## Silkscreen, mask and mechanical layers (free items; w line width, h text height)
Top Overlay:
  lines w5: 4550,3550 4550,3565 4650,3565 4650,3550 ; 4600,3975 4600,3950 4700,3950 4700,3975 ; 4350,3825 4350,3975 4950,3975 4950,3825 4350,3825
  text "-" at 4835,2381 h45
  text "+" at 5135,2381 h45
  text "-" at 5535,2381 h45
  text "+" at 5835,2380 h45
  text "Charge" at 5965,2340 h40
  text "BAT" at 5270,2335 h45

## Text inside footprints (layer, text, board x,y; h text height)
JP1: Top Overlay "2" at 3170,3550 h35 r90; Top Overlay "1" at 3270,3570 h35 r90; Top Overlay "9" at 3270,4110 h35 r90; Top Overlay "10" at 3170,4110 h35 r90